# KiCad board 2choc2flat-extmcu-ansi-rgb.kicad_pcb
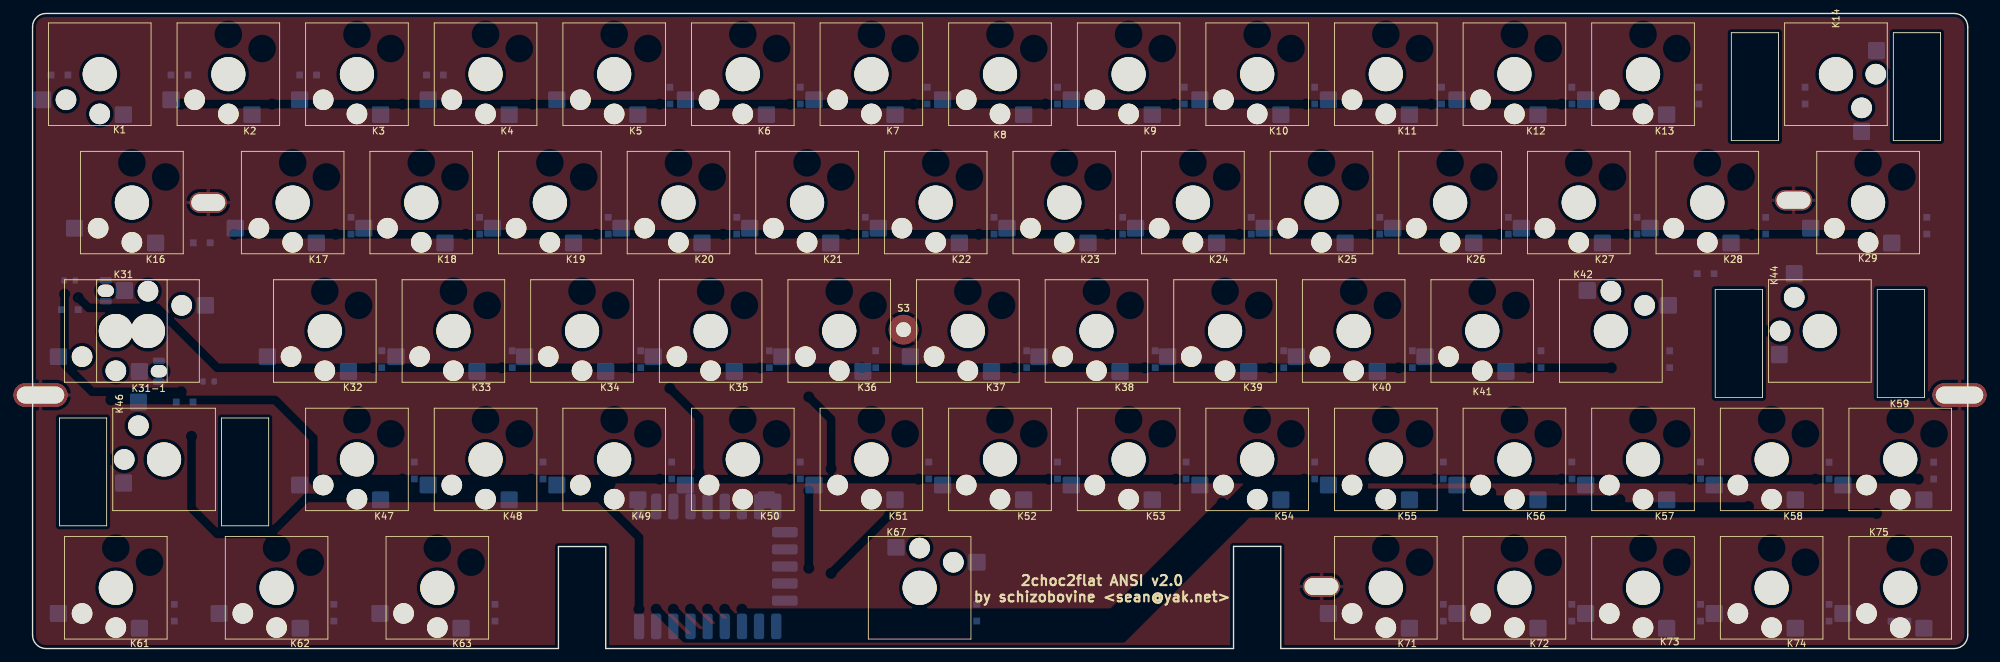
[diagram p0: board, top side]
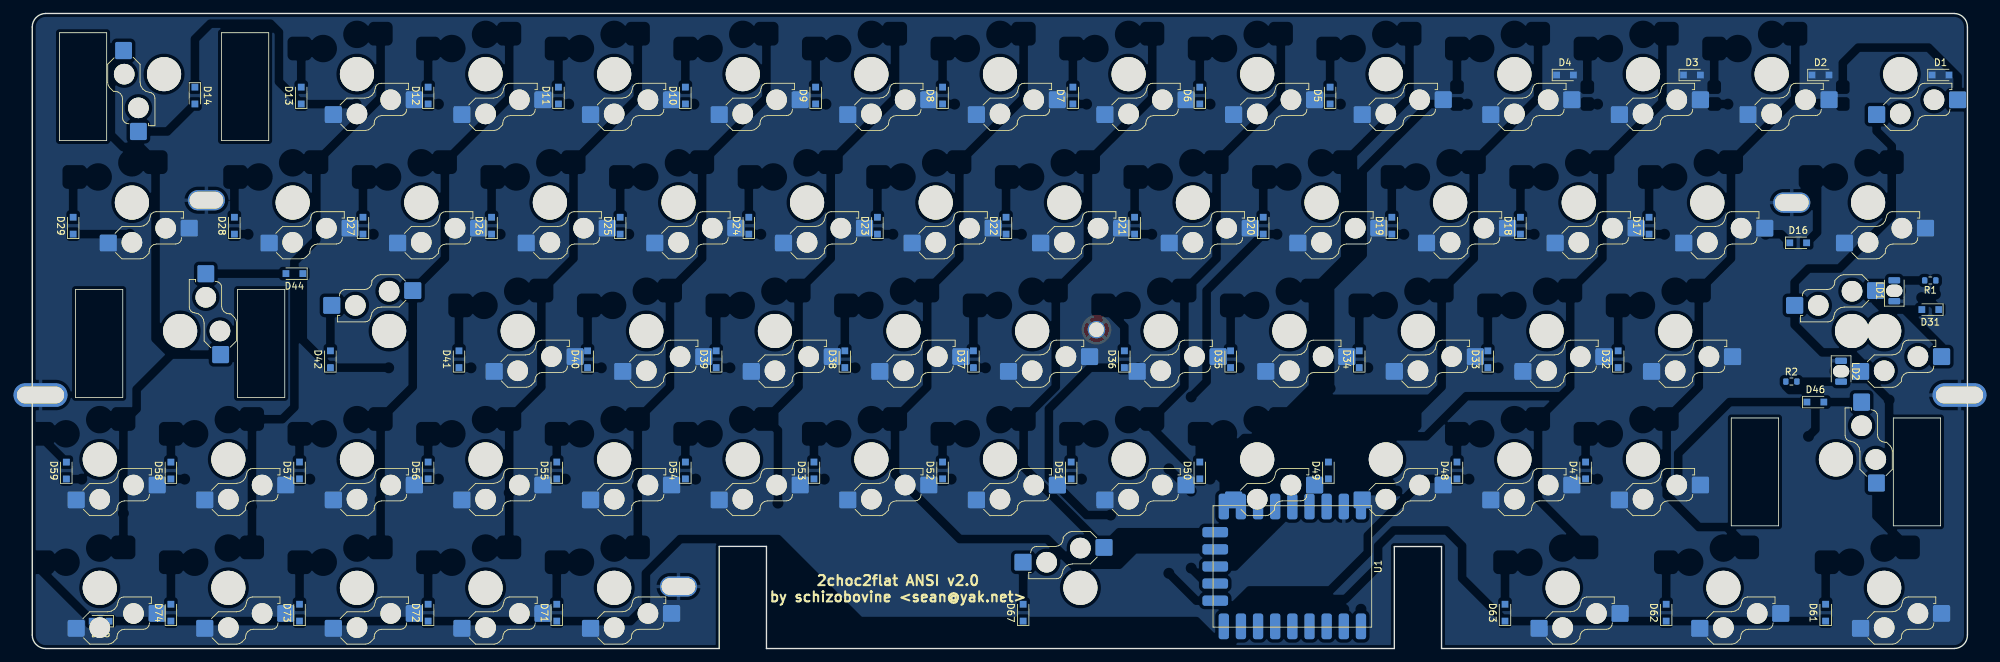
[diagram p1: board, bottom side, seen from below]

Outline 286.65 x 94.2 mm; copper layers: Top, Bottom. Coordinates in mm from the lower left corner of the outline.
Outline path: 0,92.2 0,2 arc(0.56,0.6) 1.95,0 77.89,0 77.89,15.13 84.89,15.13 84.89,0 177.89,0 177.89,15.15 184.89,15.15 184.89,0 284.65,0 arc(286.06,0.59) 286.65,2 286.65,92.2 arc(286.06,93.61) 284.65,94.2 1.95,94.2 arc(0.56,93.6) 0,92.2
Stack: Top 0.035mm / dielectric 1.51mm FR4 er 4.5 / Bottom 0.035mm

## Placement (name value [footprint] x y rotation side)
D1  D  [D_SOD-323_HandSoldering]  3.98 85.07 180 bottom
D2  D  [D_SOD-323_HandSoldering]  21.76 85.07 180 bottom
D3  D  [D_SOD-323_HandSoldering]  40.81 85.07 180 bottom
D4  D  [D_SOD-323_HandSoldering]  59.61 85.07 180 bottom
D5  D  [D_SOD-323_HandSoldering]  94.41 82.03 90 bottom
D6  D  [D_SOD-323_HandSoldering]  113.71 82.03 90 bottom
D7  D  [D_SOD-323_HandSoldering]  132.51 82.03 90 bottom
D8  D  [D_SOD-323_HandSoldering]  151.81 82.03 90 bottom
D9  D  [D_SOD-323_HandSoldering]  170.61 82.03 90 bottom
D10  D  [D_SOD-323_HandSoldering]  189.91 82.03 90 bottom
D11  D  [D_SOD-323_HandSoldering]  208.71 82.03 90 bottom
D12  D  [D_SOD-323_HandSoldering]  228.01 82.03 90 bottom
D13  D  [D_SOD-323_HandSoldering]  246.81 82.03 90 bottom
D14  D  [D_SOD-323_HandSoldering]  262.55 82.03 270 bottom
D16  D  [D_SOD-323_HandSoldering]  25.06 60.18 180 bottom
D17  D  [D_SOD-323_HandSoldering]  47.16 62.72 90 bottom
D18  D  [D_SOD-323_HandSoldering]  66.21 62.72 90 bottom
D19  D  [D_SOD-323_HandSoldering]  85.26 62.72 90 bottom
D20  D  [D_SOD-323_HandSoldering]  104.31 62.72 90 bottom
D21  D  [D_SOD-323_HandSoldering]  123.36 62.72 90 bottom
D22  D  [D_SOD-323_HandSoldering]  142.41 62.72 90 bottom
D23  D  [D_SOD-323_HandSoldering]  161.46 62.72 90 bottom
D24  D  [D_SOD-323_HandSoldering]  180.51 62.72 90 bottom
D25  D  [D_SOD-323_HandSoldering]  199.56 62.72 90 bottom
D26  D  [D_SOD-323_HandSoldering]  218.61 62.72 90 bottom
D27  D  [D_SOD-323_HandSoldering]  237.66 62.72 90 bottom
D28  D  [D_SOD-323_HandSoldering]  256.71 62.72 90 bottom
D29  D  [D_SOD-323_HandSoldering]  280.59 62.72 90 bottom
D31  D  [D_SOD-323_HandSoldering]  5.5 50.28 0 bottom
D32  D  [D_SOD-323_HandSoldering]  51.73 42.91 90 bottom
D33  D  [D_SOD-323_HandSoldering]  71.04 42.91 90 bottom
D34  D  [D_SOD-323_HandSoldering]  90.09 42.91 90 bottom
D35  D  [D_SOD-323_HandSoldering]  109.14 42.91 90 bottom
D36  D  [D_SOD-323_HandSoldering]  124.88 42.91 90 bottom
D37  D  [D_SOD-323_HandSoldering]  147.24 42.91 90 bottom
D38  D  [D_SOD-323_HandSoldering]  166.29 42.91 90 bottom
D39  D  [D_SOD-323_HandSoldering]  185.34 42.91 90 bottom
D40  D  [D_SOD-323_HandSoldering]  204.39 42.91 90 bottom
D41  D  [D_SOD-323_HandSoldering]  223.44 42.91 90 bottom
D42  D  [D_SOD-323_HandSoldering]  242.49 42.91 90 bottom
D44  D  [D_SOD-323_HandSoldering]  247.82 55.61 0 bottom
D46  D  [D_SOD-323_HandSoldering]  22.52 36.56 180 bottom
D47  D  [D_SOD-323_HandSoldering]  56.56 26.41 90 bottom
D48  D  [D_SOD-323_HandSoldering]  75.61 26.41 90 bottom
D49  D  [D_SOD-323_HandSoldering]  94.66 26.41 90 bottom
D50  D  [D_SOD-323_HandSoldering]  113.71 26.41 90 bottom
D51  D  [D_SOD-323_HandSoldering]  132.76 26.41 90 bottom
D52  D  [D_SOD-323_HandSoldering]  151.81 26.41 90 bottom
D53  D  [D_SOD-323_HandSoldering]  170.86 26.41 90 bottom
D54  D  [D_SOD-323_HandSoldering]  189.91 26.41 90 bottom
D55  D  [D_SOD-323_HandSoldering]  208.96 26.41 90 bottom
D56  D  [D_SOD-323_HandSoldering]  228.01 26.41 90 bottom
D57  D  [D_SOD-323_HandSoldering]  247.06 26.41 90 bottom
D58  D  [D_SOD-323_HandSoldering]  266.11 26.4 90 bottom
D59  D  [D_SOD-323_HandSoldering]  281.6 26.4 90 bottom
D61  D  [D_SOD-323_HandSoldering]  21 5.32 90 bottom
D62  D  [D_SOD-323_HandSoldering]  44.62 5.32 90 bottom
D63  D  [D_SOD-323_HandSoldering]  68.5 5.32 90 bottom
D67  D  [D_SOD-323_HandSoldering]  139.87 5.32 90 bottom
D71  D  [D_SOD-323_HandSoldering]  208.96 5.32 90 bottom
D72  D  [D_SOD-323_HandSoldering]  228.01 5.32 90 bottom
D73  D  [D_SOD-323_HandSoldering]  247.06 5.32 90 bottom
D74  D  [D_SOD-323_HandSoldering]  266.11 5.32 90 bottom
D75  D  [D_SOD-323_HandSoldering]  276.52 4.05 0 bottom
K1  KEYSW  [SW_Hotswap_Kailh_Choc_V2_1.00u]  9.95 85.2 180 top
K2  KEYSW  [SW_Hotswap_Kailh_Choc_V2_1.00u]  29 85.2 180 top
K3  KEYSW  [SW_Hotswap_Kailh_Choc_V2_1.00u]  48.05 85.2 180 top
K4  KEYSW  [SW_Hotswap_Kailh_Choc_V2_1.00u]  67.1 85.2 180 top
K5  KEYSW  [SW_Hotswap_Kailh_Choc_V2_1.00u]  86.15 85.2 180 top
K6  KEYSW  [SW_Hotswap_Kailh_Choc_V2_1.00u]  105.2 85.2 180 top
K7  KEYSW  [SW_Hotswap_Kailh_Choc_V2_1.00u]  124.25 85.2 180 top
K8  KEYSW  [SW_Hotswap_Kailh_Choc_V2_1.00u]  143.3 85.2 180 top
K9  KEYSW  [SW_Hotswap_Kailh_Choc_V2_1.00u]  162.35 85.2 180 top
K10  KEYSW  [SW_Hotswap_Kailh_Choc_V2_1.00u]  181.4 85.2 180 top
K11  KEYSW  [SW_Hotswap_Kailh_Choc_V2_1.00u]  200.45 85.2 180 top
K12  KEYSW  [SW_Hotswap_Kailh_Choc_V2_1.00u]  219.5 85.2 180 top
K13  KEYSW  [SW_Hotswap_Kailh_Choc_V2_1.00u]  238.55 85.2 180 top
K14  KEYSW  [SW_Hotswap_Kailh_Choc_V2_2.00u_270deg_Gateron_LP_Stabs]  267.12 85.2 270 top
K16  KEYSW  [SW_Hotswap_Kailh_Choc_V2_1.50u]  14.71 66.15 180 top
K17  KEYSW  [SW_Hotswap_Kailh_Choc_V2_1.00u]  38.52 66.15 180 top
K18  KEYSW  [SW_Hotswap_Kailh_Choc_V2_1.00u]  57.57 66.15 180 top
K19  KEYSW  [SW_Hotswap_Kailh_Choc_V2_1.00u]  76.62 66.15 180 top
K20  KEYSW  [SW_Hotswap_Kailh_Choc_V2_1.00u]  95.67 66.15 180 top
K21  KEYSW  [SW_Hotswap_Kailh_Choc_V2_1.00u]  114.72 66.15 180 top
K22  KEYSW  [SW_Hotswap_Kailh_Choc_V2_1.00u]  133.78 66.15 180 top
K23  KEYSW  [SW_Hotswap_Kailh_Choc_V2_1.00u]  152.83 66.15 180 top
K24  KEYSW  [SW_Hotswap_Kailh_Choc_V2_1.00u]  171.88 66.15 180 top
K25  KEYSW  [SW_Hotswap_Kailh_Choc_V2_1.00u]  190.93 66.15 180 top
K26  KEYSW  [SW_Hotswap_Kailh_Choc_V2_1.00u]  209.98 66.15 180 top
K27  KEYSW  [SW_Hotswap_Kailh_Choc_V2_1.00u]  229.03 66.15 180 top
K28  KEYSW  [SW_Hotswap_Kailh_Choc_V2_1.00u]  248.08 66.15 180 top
K29  KEYSW  [SW_Hotswap_Kailh_Choc_V2_1.50u]  271.89 66.15 180 top
K31  KEYSW  [SW_Hotswap_Kailh_Choc_V2_1.75u]  17.09 47.1 0 top
K31-1  KEYSW  [SW_Hotswap_Kailh_Choc_V2_1.25u]  12.33 47.1 180 top
K32  KEYSW  [SW_Hotswap_Kailh_Choc_V2_1.00u]  43.29 47.1 180 top
K33  KEYSW  [SW_Hotswap_Kailh_Choc_V2_1.00u]  62.34 47.1 180 top
K34  KEYSW  [SW_Hotswap_Kailh_Choc_V2_1.00u]  81.39 47.1 180 top
K35  KEYSW  [SW_Hotswap_Kailh_Choc_V2_1.00u]  100.44 47.1 180 top
K36  KEYSW  [SW_Hotswap_Kailh_Choc_V2_1.00u]  119.49 47.1 180 top
K37  KEYSW  [SW_Hotswap_Kailh_Choc_V2_1.00u]  138.54 47.1 180 top
K38  KEYSW  [SW_Hotswap_Kailh_Choc_V2_1.00u]  157.59 47.1 180 top
K39  KEYSW  [SW_Hotswap_Kailh_Choc_V2_1.00u]  176.64 47.1 180 top
K40  KEYSW  [SW_Hotswap_Kailh_Choc_V2_1.00u]  195.69 47.1 180 top
K41  KEYSW  [SW_Hotswap_Kailh_Choc_V2_1.00u]  214.74 47.1 180 top
K42  KEYSW  [SW_Hotswap_Kailh_Choc_V2_1.00u]  233.79 47.1 0 top
K44  KEYSW  [SW_Hotswap_Kailh_Choc_V2_2.25u_90deg_Gateron_LP_Stabs]  264.74 47.1 90 top
K46  KEYSW  [SW_Hotswap_Kailh_Choc_V2_2.00u_90deg_Gateron_LP_Stabs]  19.48 28.05 90 top
K47  KEYSW  [SW_Hotswap_Kailh_Choc_V2_1.00u]  48.05 28.05 180 top
K48  KEYSW  [SW_Hotswap_Kailh_Choc_V2_1.00u]  67.1 28.05 180 top
K49  KEYSW  [SW_Hotswap_Kailh_Choc_V2_1.00u]  86.15 28.05 180 top
K50  KEYSW  [SW_Hotswap_Kailh_Choc_V2_1.00u]  105.2 28.05 180 top
K51  KEYSW  [SW_Hotswap_Kailh_Choc_V2_1.00u]  124.25 28.05 180 top
K52  KEYSW  [SW_Hotswap_Kailh_Choc_V2_1.00u]  143.3 28.05 180 top
K53  KEYSW  [SW_Hotswap_Kailh_Choc_V2_1.00u]  162.35 28.05 180 top
K54  KEYSW  [SW_Hotswap_Kailh_Choc_V2_1.00u]  181.4 28.05 180 top
K55  KEYSW  [SW_Hotswap_Kailh_Choc_V2_1.00u]  200.45 28.05 180 top
K56  KEYSW  [SW_Hotswap_Kailh_Choc_V2_1.00u]  219.5 28.05 180 top
K57  KEYSW  [SW_Hotswap_Kailh_Choc_V2_1.00u]  238.55 28.05 180 top
K58  KEYSW  [SW_Hotswap_Kailh_Choc_V2_1.00u]  257.6 28.05 180 top
K59  KEYSW  [SW_Hotswap_Kailh_Choc_V2_1.00u]  276.65 28.05 180 top
K61  KEYSW  [SW_Hotswap_Kailh_Choc_V2_1.25u]  12.33 9 180 top
K62  KEYSW  [SW_Hotswap_Kailh_Choc_V2_1.25u]  36.14 9 180 top
K63  KEYSW  [SW_Hotswap_Kailh_Choc_V2_1.25u]  59.96 9 180 top
K67  KEYSW  [SW_Hotswap_Kailh_Choc_V2_6.25u]  131.39 9 0 top
K71  KEYSW  [SW_Hotswap_Kailh_Choc_V2_1.00u]  200.45 9 180 top
K72  KEYSW  [SW_Hotswap_Kailh_Choc_V2_1.00u]  219.5 9 180 top
K73  KEYSW  [SW_Hotswap_Kailh_Choc_V2_1.00u]  238.55 9 180 top
K74  KEYSW  [SW_Hotswap_Kailh_Choc_V2_1.00u]  257.6 9 180 top
K75  KEYSW  [SW_Hotswap_Kailh_Choc_V2_1.00u]  276.65 9 180 top
LD1  LED  [LED_1206_3216Metric_ReverseMount_Hole1.8x2.4mm]  10.84 53.07 90 bottom
LD2  LED  [LED_1206_3216Metric_ReverseMount_Hole1.8x2.4mm]  18.71 41.13 270 bottom
R1  330R  [R_0603_1608Metric]  5.5 54.59 0 bottom
R2  330R  [R_0603_1608Metric]  26.08 39.61 180 bottom
S1  Screw  [3_5x2.5mm]  26.03 66.15 0 top
S2  Screw  [3_5x2.5mm]  260.85 66.5 0 top
S3  Screw  [MountingHole_2.2mm_M2_Pad_TopOnly]  129.01 47.3 0 top
S4  Screw  [8x3.5_7x2.5mm]  1.18 37.6 0 top
S5  Screw  [8x3.5_7x2.5mm]  285.43 37.6 0 top
S6  Screw  [3_5x2.5mm]  190.93 9.2 0 top
U1  WS-RP2040-Tiny  [WAVESHARE_RP2040_TINY]  99.99 12.18 270 bottom

## Footprints (pads in the part's own frame, mm; a bottom-side part is the same pattern mirrored in y, then rotated)
3_5x2.5mm
  oval 5.5x3 hole 5x2.5: 1(0,0)
8x3.5_7x2.5mm
  oval 8x3.5 hole 7x2.5: 1(0,0)
D_SOD-323_HandSoldering
  rect 1x1 smd: 1(-1.25,0) 2(1.25,0)
LED_1206_3216Metric_ReverseMount_Hole1.8x2.4mm
  oval 1.8x2.4 hole 1.8x2.4 unplated: (0,0)
  rrect 0.95x1.75 smd: 1(-1.55,0) 2(1.55,0)
MountingHole_2.2mm_M2_Pad_TopOnly
  round 2.6 hole 2.2: 1(0,0)
  round 4.4 smd: 1(0,0)
R_0603_1608Metric
  rrect 0.8x0.95 smd: 1(-0.825,0) 2(0.825,0)
SW_Hotswap_Kailh_Choc_V2_1.00u
  round 3.05 hole 3.05 unplated: (0,5.9) (5,3.8)
  round 5.05 hole 5.05 unplated: (0,0)
  rrect 2.55x2.5 smd far side: 1(-3.5,6) 2(8.5,3.8)
SW_Hotswap_Kailh_Choc_V2_1.25u
  round 3.05 hole 3.05 unplated: (0,5.9) (5,3.8)
  round 5.05 hole 5.05 unplated: (0,0)
  rrect 2.55x2.5 smd far side: 1(-3.5,6) 2(8.5,3.8)
SW_Hotswap_Kailh_Choc_V2_1.50u
  round 3.05 hole 3.05 unplated: (0,5.9) (5,3.8)
  round 5.05 hole 5.05 unplated: (0,0)
  rrect 2.55x2.5 smd far side: 1(-3.5,6) 2(8.5,3.8)
SW_Hotswap_Kailh_Choc_V2_1.75u
  round 3.05 hole 3.05 unplated: (0,5.9) (5,3.8)
  round 5.05 hole 5.05 unplated: (0,0)
  rrect 2.55x2.5 smd far side: 1(-3.5,6) 2(8.5,3.8)
SW_Hotswap_Kailh_Choc_V2_2.00u_90deg_Gateron_LP_Stabs
  round 3.05 hole 3.05 unplated: (0,5.9) (5,3.8)
  round 5.05 hole 5.05 unplated: (0,0)
  rrect 2.55x2.5 smd far side: 1(-3.5,6) 2(8.5,3.8)
SW_Hotswap_Kailh_Choc_V2_2.00u_270deg_Gateron_LP_Stabs
  round 3.05 hole 3.05 unplated: (0,5.9) (5,3.8)
  round 5.05 hole 5.05 unplated: (0,0)
  rrect 2.55x2.5 smd far side: 1(-3.5,6) 2(8.5,3.8)
SW_Hotswap_Kailh_Choc_V2_2.25u_90deg_Gateron_LP_Stabs
  round 3.05 hole 3.05 unplated: (0,5.9) (5,3.8)
  round 5.05 hole 5.05 unplated: (0,0)
  rrect 2.55x2.5 smd far side: 1(-3.5,6) 2(8.5,3.8)
SW_Hotswap_Kailh_Choc_V2_6.25u
  round 3.05 hole 3.05 unplated: (0,5.9) (5,3.8)
  round 5.05 hole 5.05 unplated: (0,0)
  rrect 2.55x2.5 smd far side: 1(-3.5,6) 2(8.5,3.8)
WAVESHARE_RP2040_TINY
  rrect 3.81x1.524 smd: 1(8.89,10.16) 2(8.89,7.62) 3(8.89,5.08) 4(8.89,2.54) 5(8.89,0) 6(8.89,-2.54) 7(8.89,-5.08) 8(8.89,-7.62) 9(8.89,-10.16) 15(-8.89,-10.16) 16(-8.89,-7.62) 17(-8.89,-5.08) 18(-8.89,-2.54) 19(-8.89,0) 20(-8.89,2.54) 21(-8.89,5.08) 22(-8.89,7.62) 23(-8.89,10.16)
  rrect 1.524x3.81 smd: 10(5.08,-11.43) 11(2.54,-11.43) 12(0,-11.43) 13(-2.54,-11.43) 14(-5.08,-11.43)

## Nets
+3V3: U1.21
+5V: U1.23
GND: LD1.1 LD2.1 S1.1 S2.1 S3.1 S4.1 S5.1 S6.1 U1.22
caps: R1.1 R2.1 U1.1
col0: K1.1 K2.1 K16.1 K17.1 K31.2 K31-1.1 K32.1 K46.1 K47.1 K61.1 K62.1 U1.20
col1: K3.1 K4.1 K18.1 K19.1 K33.1 K34.1 K48.1 K49.1 K63.1 U1.19
col2: K5.1 K6.1 K20.1 K21.1 K35.1 K36.1 K50.1 K51.1 U1.18
col3: K7.1 K8.1 K22.1 K23.1 K37.1 K38.1 K52.1 K53.1 K67.1 U1.17
col4: K9.1 K10.1 K24.1 K25.1 K39.1 K40.1 K54.1 K55.1 K71.1 U1.16
col5: K11.1 K12.1 K26.1 K27.1 K41.1 K42.1 K56.1 K57.1 K72.1 K73.1 U1.15
col6: K13.1 K14.1 K28.1 K29.1 K44.1 K58.1 K59.1 K74.1 K75.1 U1.14
row0: D1.1 D3.1 D5.1 D7.1 D9.1 D11.1 D13.1 U1.13
row1: D2.1 D4.1 D6.1 D8.1 D10.1 D12.1 D14.1 U1.12
row2: D16.1 D18.1 D20.1 D22.1 D24.1 D26.1 D28.1 U1.11
row3: D17.1 D19.1 D21.1 D23.1 D25.1 D27.1 D29.1 U1.10
row4: D31.1 D33.1 D35.1 D37.1 D39.1 D41.1 D44.1 U1.9
row5: D32.1 D34.1 D36.1 D38.1 D40.1 D42.1 U1.8
row6: D46.1 D48.1 D50.1 D52.1 D54.1 D56.1 D58.1 U1.7
row7: D47.1 D49.1 D51.1 D53.1 D55.1 D57.1 D59.1 U1.6
row8: D61.1 D63.1 D67.1 D71.1 D72.1 D74.1 U1.5
row9: D62.1 D73.1 D75.1 U1.4
Net-(D1-Pad2): D1.2 K1.2
Net-(D2-Pad2): D2.2 K2.2
Net-(D3-Pad2): D3.2 K3.2
Net-(D4-Pad2): D4.2 K4.2
Net-(D5-Pad2): D5.2 K5.2
Net-(D6-Pad2): D6.2 K6.2
Net-(D7-Pad2): D7.2 K7.2
Net-(D8-Pad2): D8.2 K8.2
Net-(D9-Pad2): D9.2 K9.2
Net-(D10-Pad2): D10.2 K10.2
Net-(D11-Pad2): D11.2 K11.2
Net-(D12-Pad2): D12.2 K12.2
Net-(D13-Pad2): D13.2 K13.2
Net-(D14-Pad2): D14.2 K14.2
Net-(D16-Pad2): D16.2 K16.2
Net-(D17-Pad2): D17.2 K17.2
Net-(D18-Pad2): D18.2 K18.2
Net-(D19-Pad2): D19.2 K19.2
Net-(D20-Pad2): D20.2 K20.2
Net-(D21-Pad2): D21.2 K21.2
Net-(D22-Pad2): D22.2 K22.2
Net-(D23-Pad2): D23.2 K23.2
Net-(D24-Pad2): D24.2 K24.2
Net-(D25-Pad2): D25.2 K25.2
Net-(D26-Pad2): D26.2 K26.2
Net-(D27-Pad2): D27.2 K27.2
Net-(D28-Pad2): D28.2 K28.2
Net-(D29-Pad2): D29.2 K29.2
Net-(D31-Pad2): D31.2 K31.1 K31-1.2
Net-(D32-Pad2): D32.2 K32.2
Net-(D33-Pad2): D33.2 K33.2
Net-(D34-Pad2): D34.2 K34.2
Net-(D35-Pad2): D35.2 K35.2
Net-(D36-Pad2): D36.2 K36.2
Net-(D37-Pad2): D37.2 K37.2
Net-(D38-Pad2): D38.2 K38.2
Net-(D39-Pad2): D39.2 K39.2
Net-(D40-Pad2): D40.2 K40.2
Net-(D41-Pad2): D41.2 K41.2
Net-(D42-Pad2): D42.2 K42.2
Net-(D44-Pad2): D44.2 K44.2
Net-(D46-Pad2): D46.2 K46.2
Net-(D47-Pad2): D47.2 K47.2
Net-(D48-Pad2): D48.2 K48.2
Net-(D49-Pad2): D49.2 K49.2
Net-(D50-Pad2): D50.2 K50.2
Net-(D51-Pad2): D51.2 K51.2
Net-(D52-Pad2): D52.2 K52.2
Net-(D53-Pad2): D53.2 K53.2
Net-(D54-Pad2): D54.2 K54.2
Net-(D55-Pad2): D55.2 K55.2
Net-(D56-Pad2): D56.2 K56.2
Net-(D57-Pad2): D57.2 K57.2
Net-(D58-Pad2): D58.2 K58.2
Net-(D59-Pad2): D59.2 K59.2
Net-(D61-Pad2): D61.2 K61.2
Net-(D62-Pad2): D62.2 K62.2
Net-(D63-Pad2): D63.2 K63.2
Net-(D67-Pad2): D67.2 K67.2
Net-(D71-Pad2): D71.2 K71.2
Net-(D72-Pad2): D72.2 K72.2
Net-(D73-Pad2): D73.2 K73.2
Net-(D74-Pad2): D74.2 K74.2
Net-(D75-Pad2): D75.2 K75.2
Net-(LD1-Pad2): LD1.2 R1.2
Net-(LD2-Pad2): LD2.2 R2.2

Pads without a net: U1 2 3

## Copper pours and planes (outline as drawn; the poured copper is in the pictures)
GND on Top: 0.42,94.73 286.18,94.73 286.18,-0.53 0.42,-0.53
GND on Bottom: 0.42,94.73 286.18,94.73 286.18,-0.53 0.42,-0.53

## Text on the board
B.Silkscreen: 2choc2flat ANSI v2.0 / by schizobovine <sean@yak.net>
F.Silkscreen: 2choc2flat ANSI v2.0 / by schizobovine <sean@yak.net>
